# Altium PCB 2016_BeaconIR_YahourtPhone.PCBDOC (part 1 of 2)
Units mil, origin at the board's own origin, x right, y up, seen from the top; angles counter-clockwise.
Board outline 3110.16 x 3110.12 mil, 4 copper layers (1-TOP, 2-SIGNAL, 3-GND, 4-BOT), stack 68 mil thick; 241 components, 166 nets, 741 pads, 347 vias.
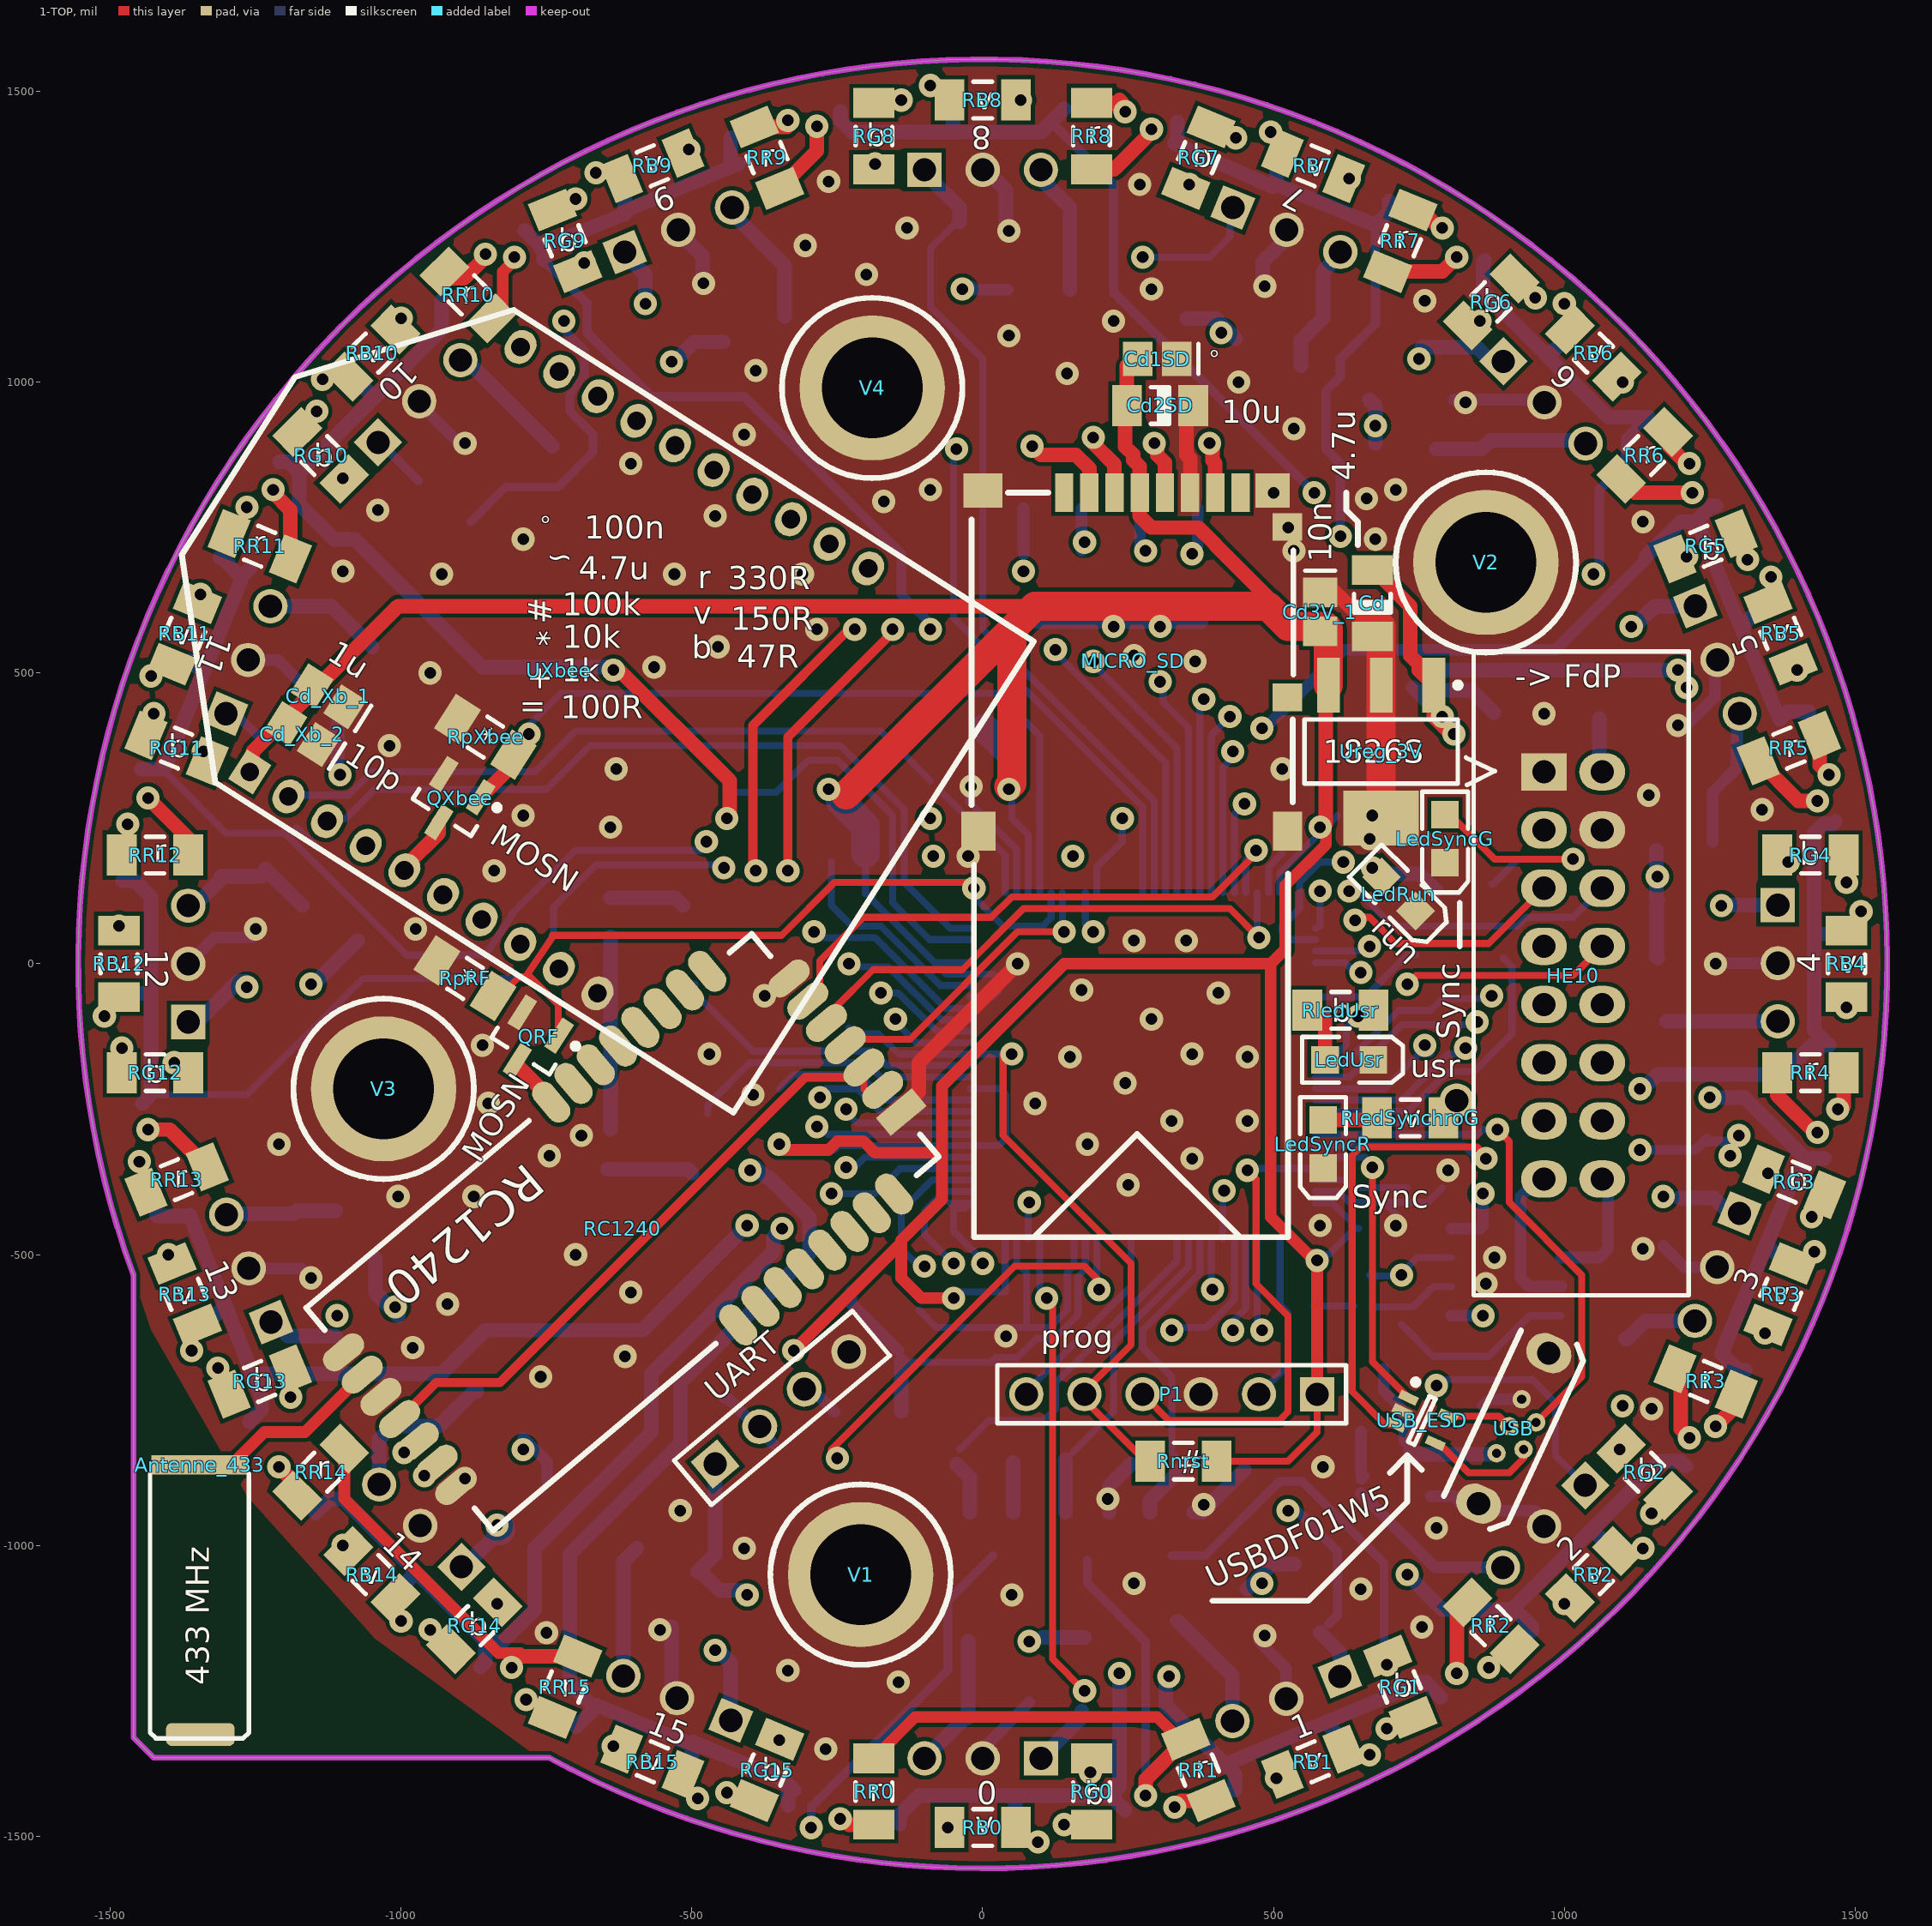
[diagram p0: 1-TOP view]
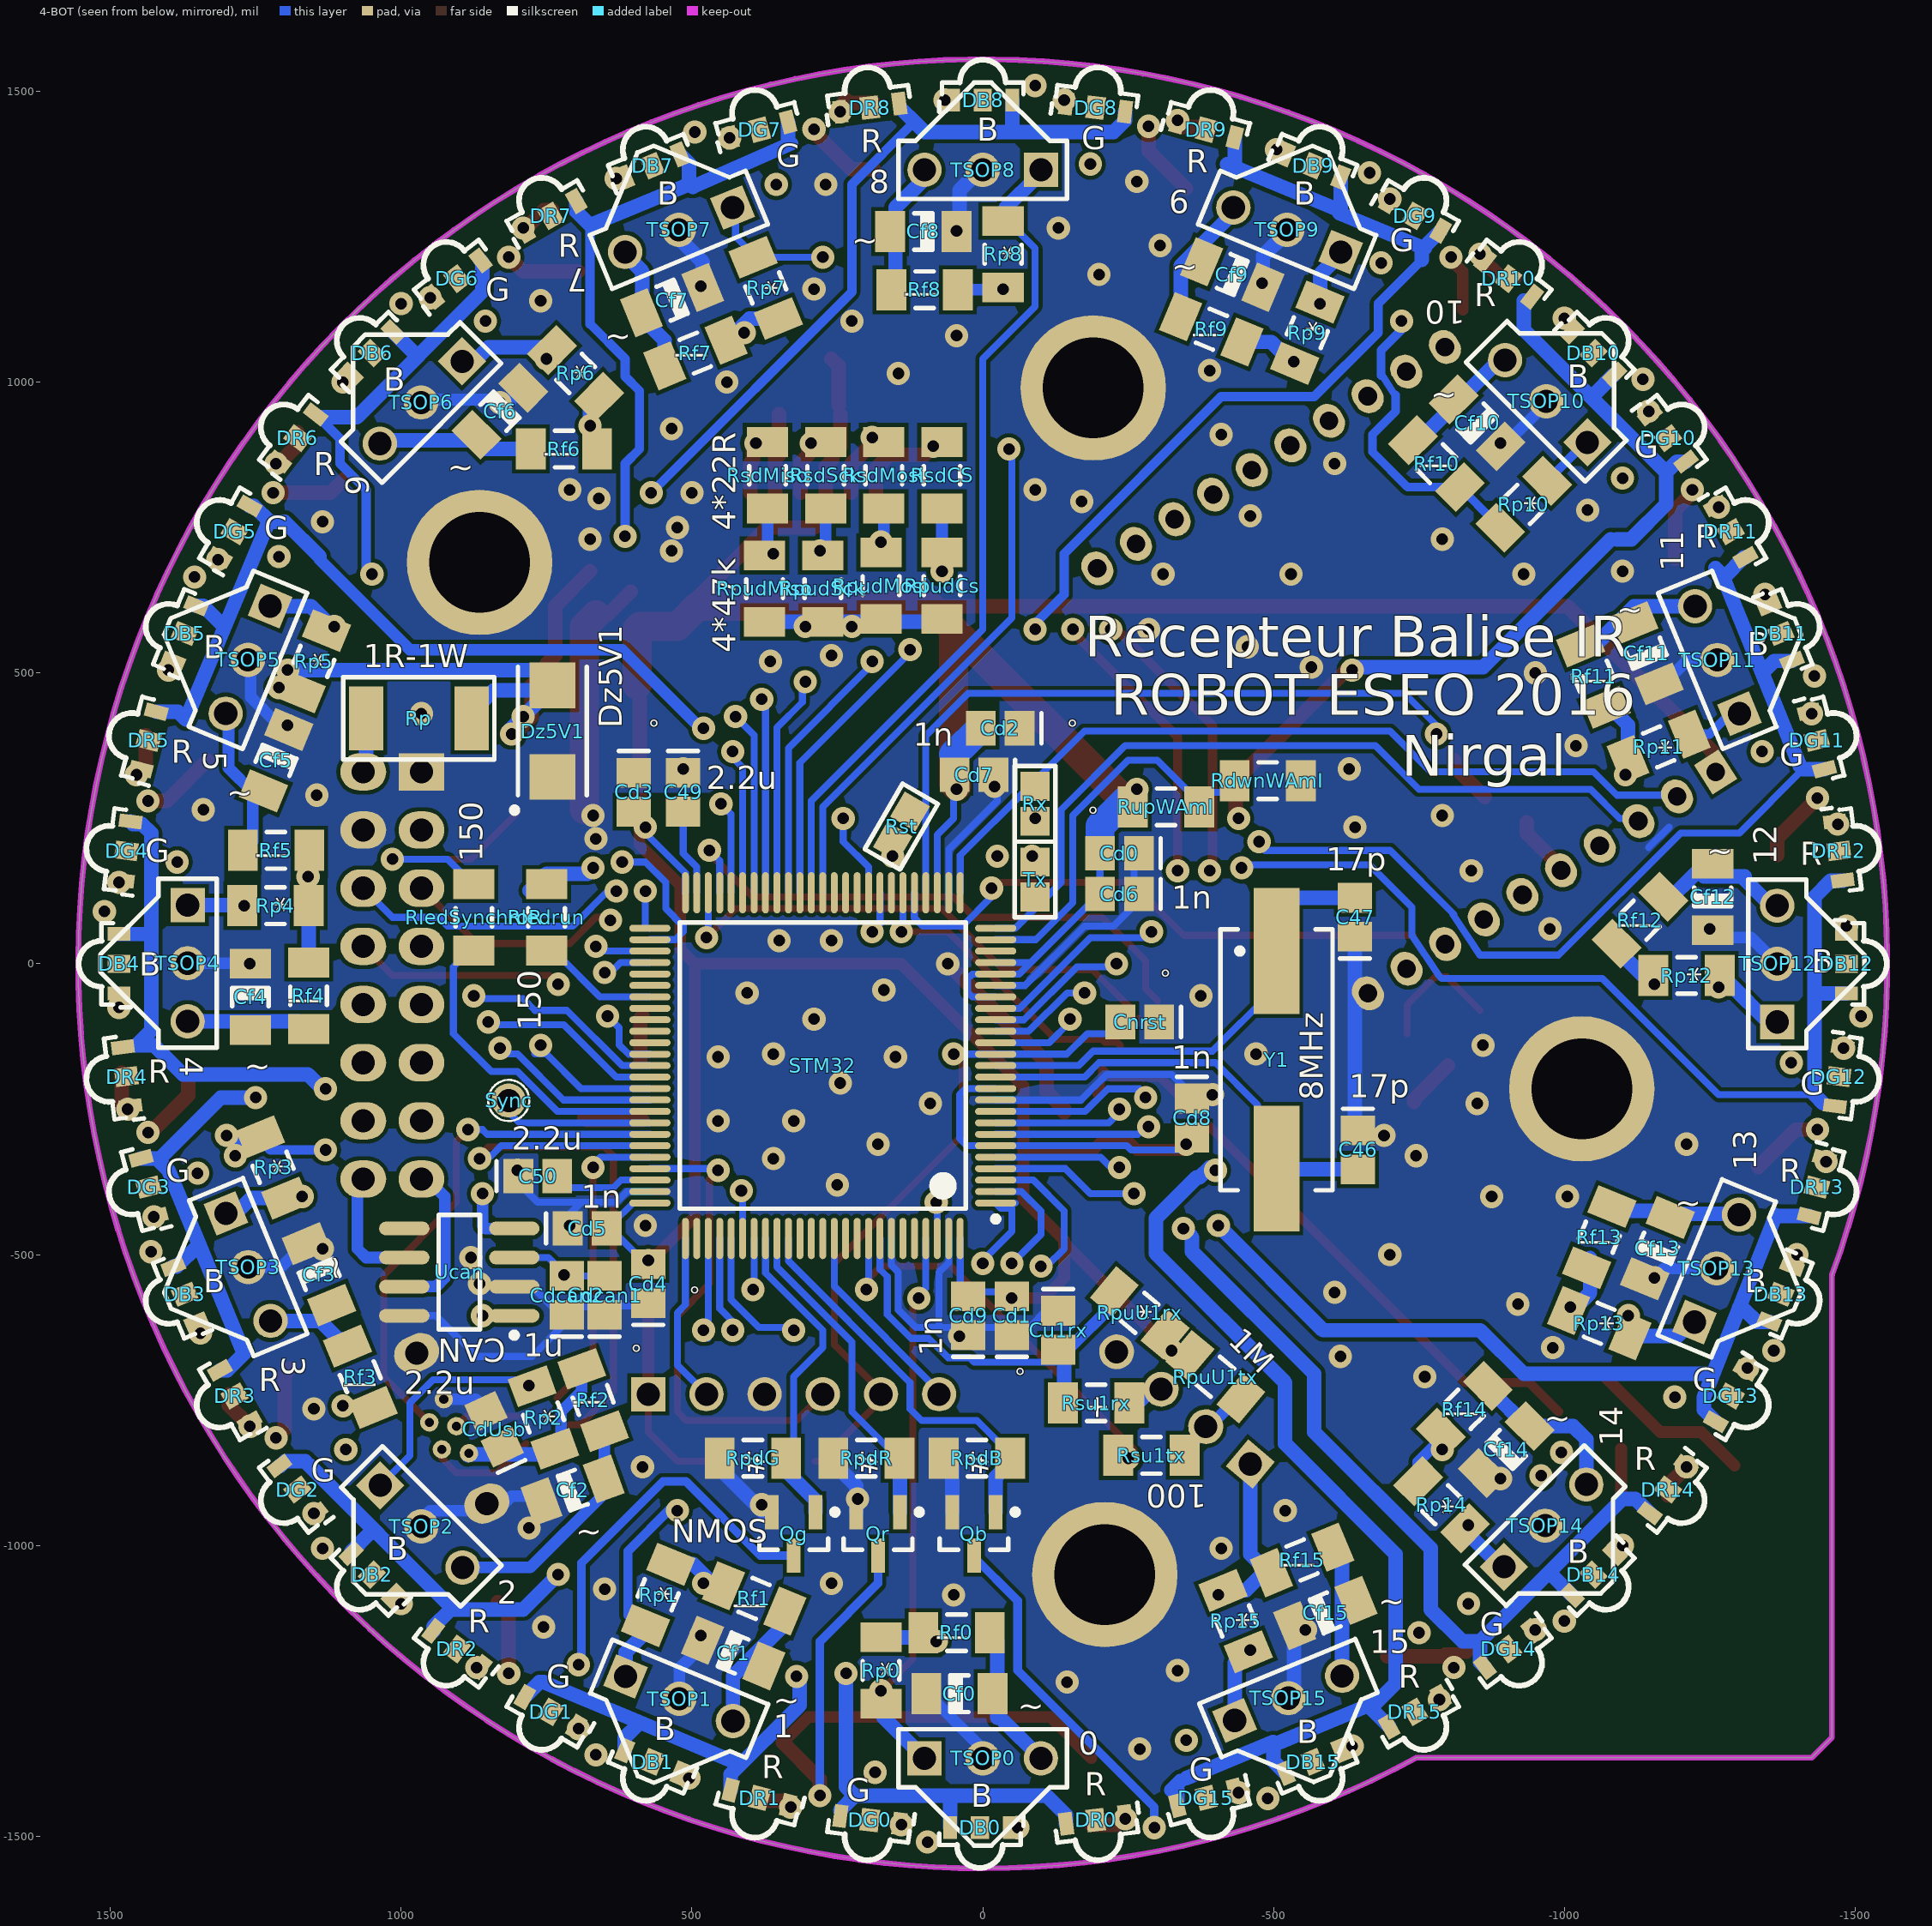
[diagram p1: 4-BOT view, seen from below]
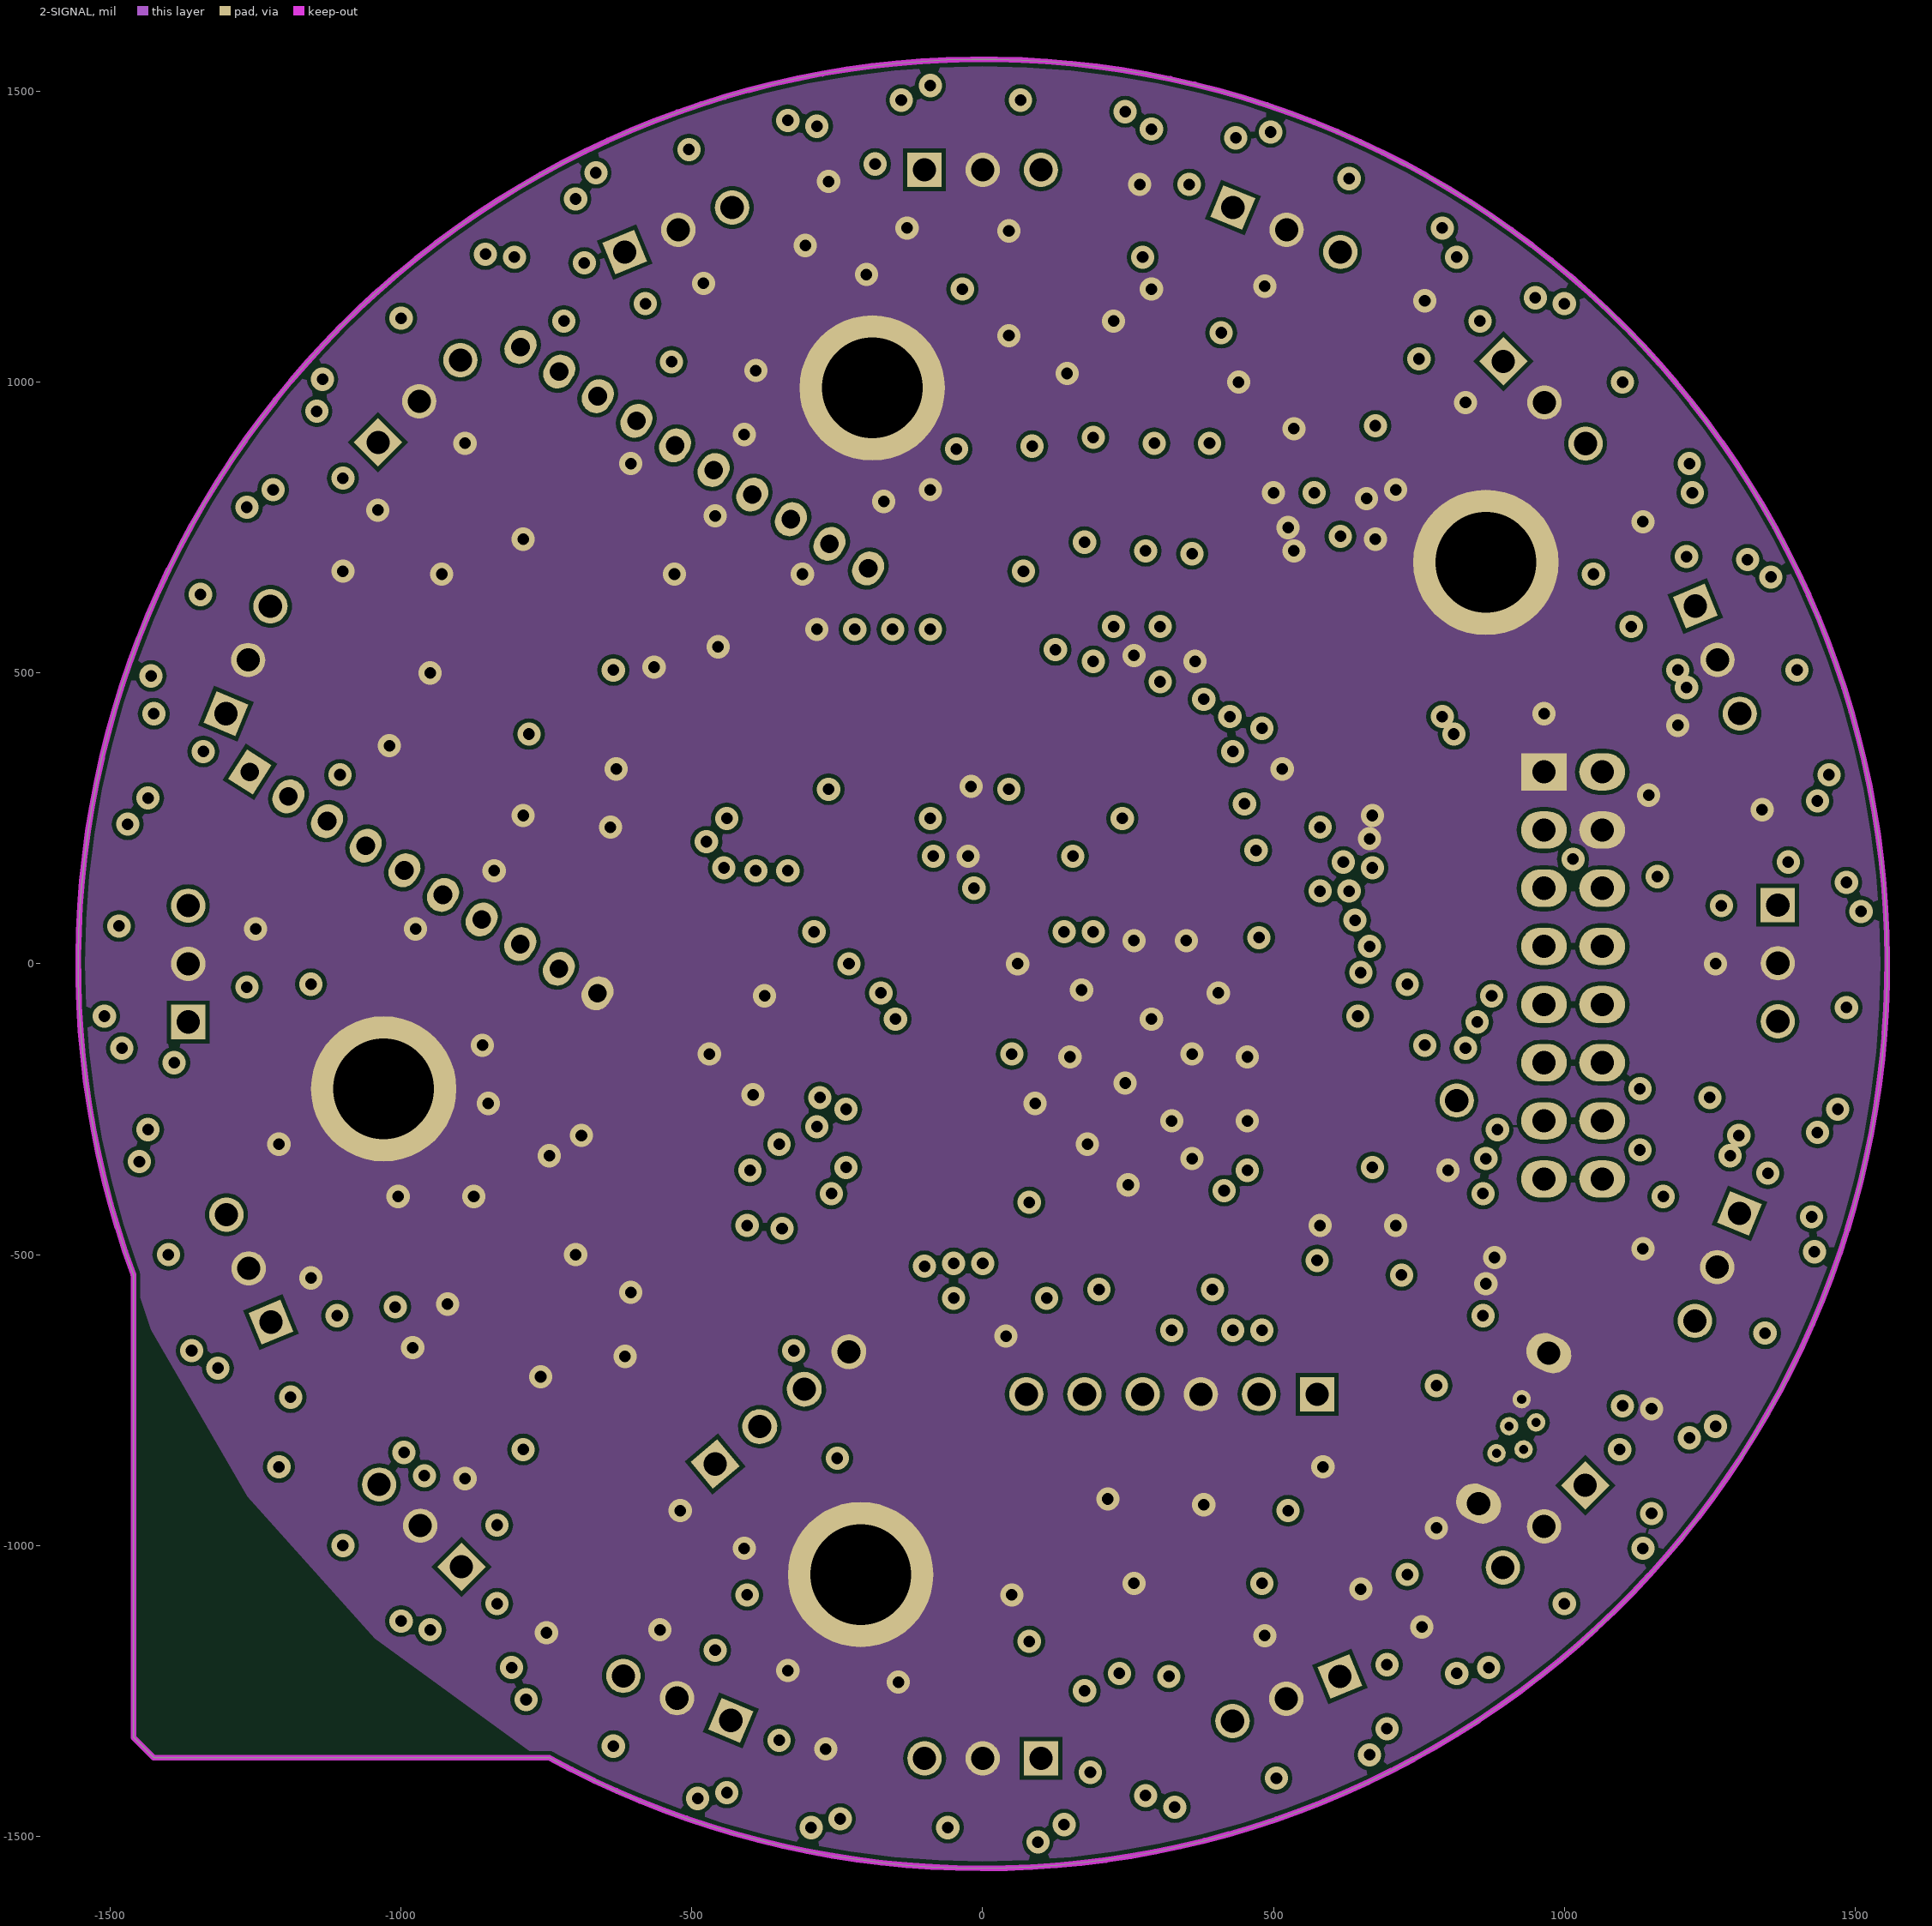
[diagram p2: 2-SIGNAL]
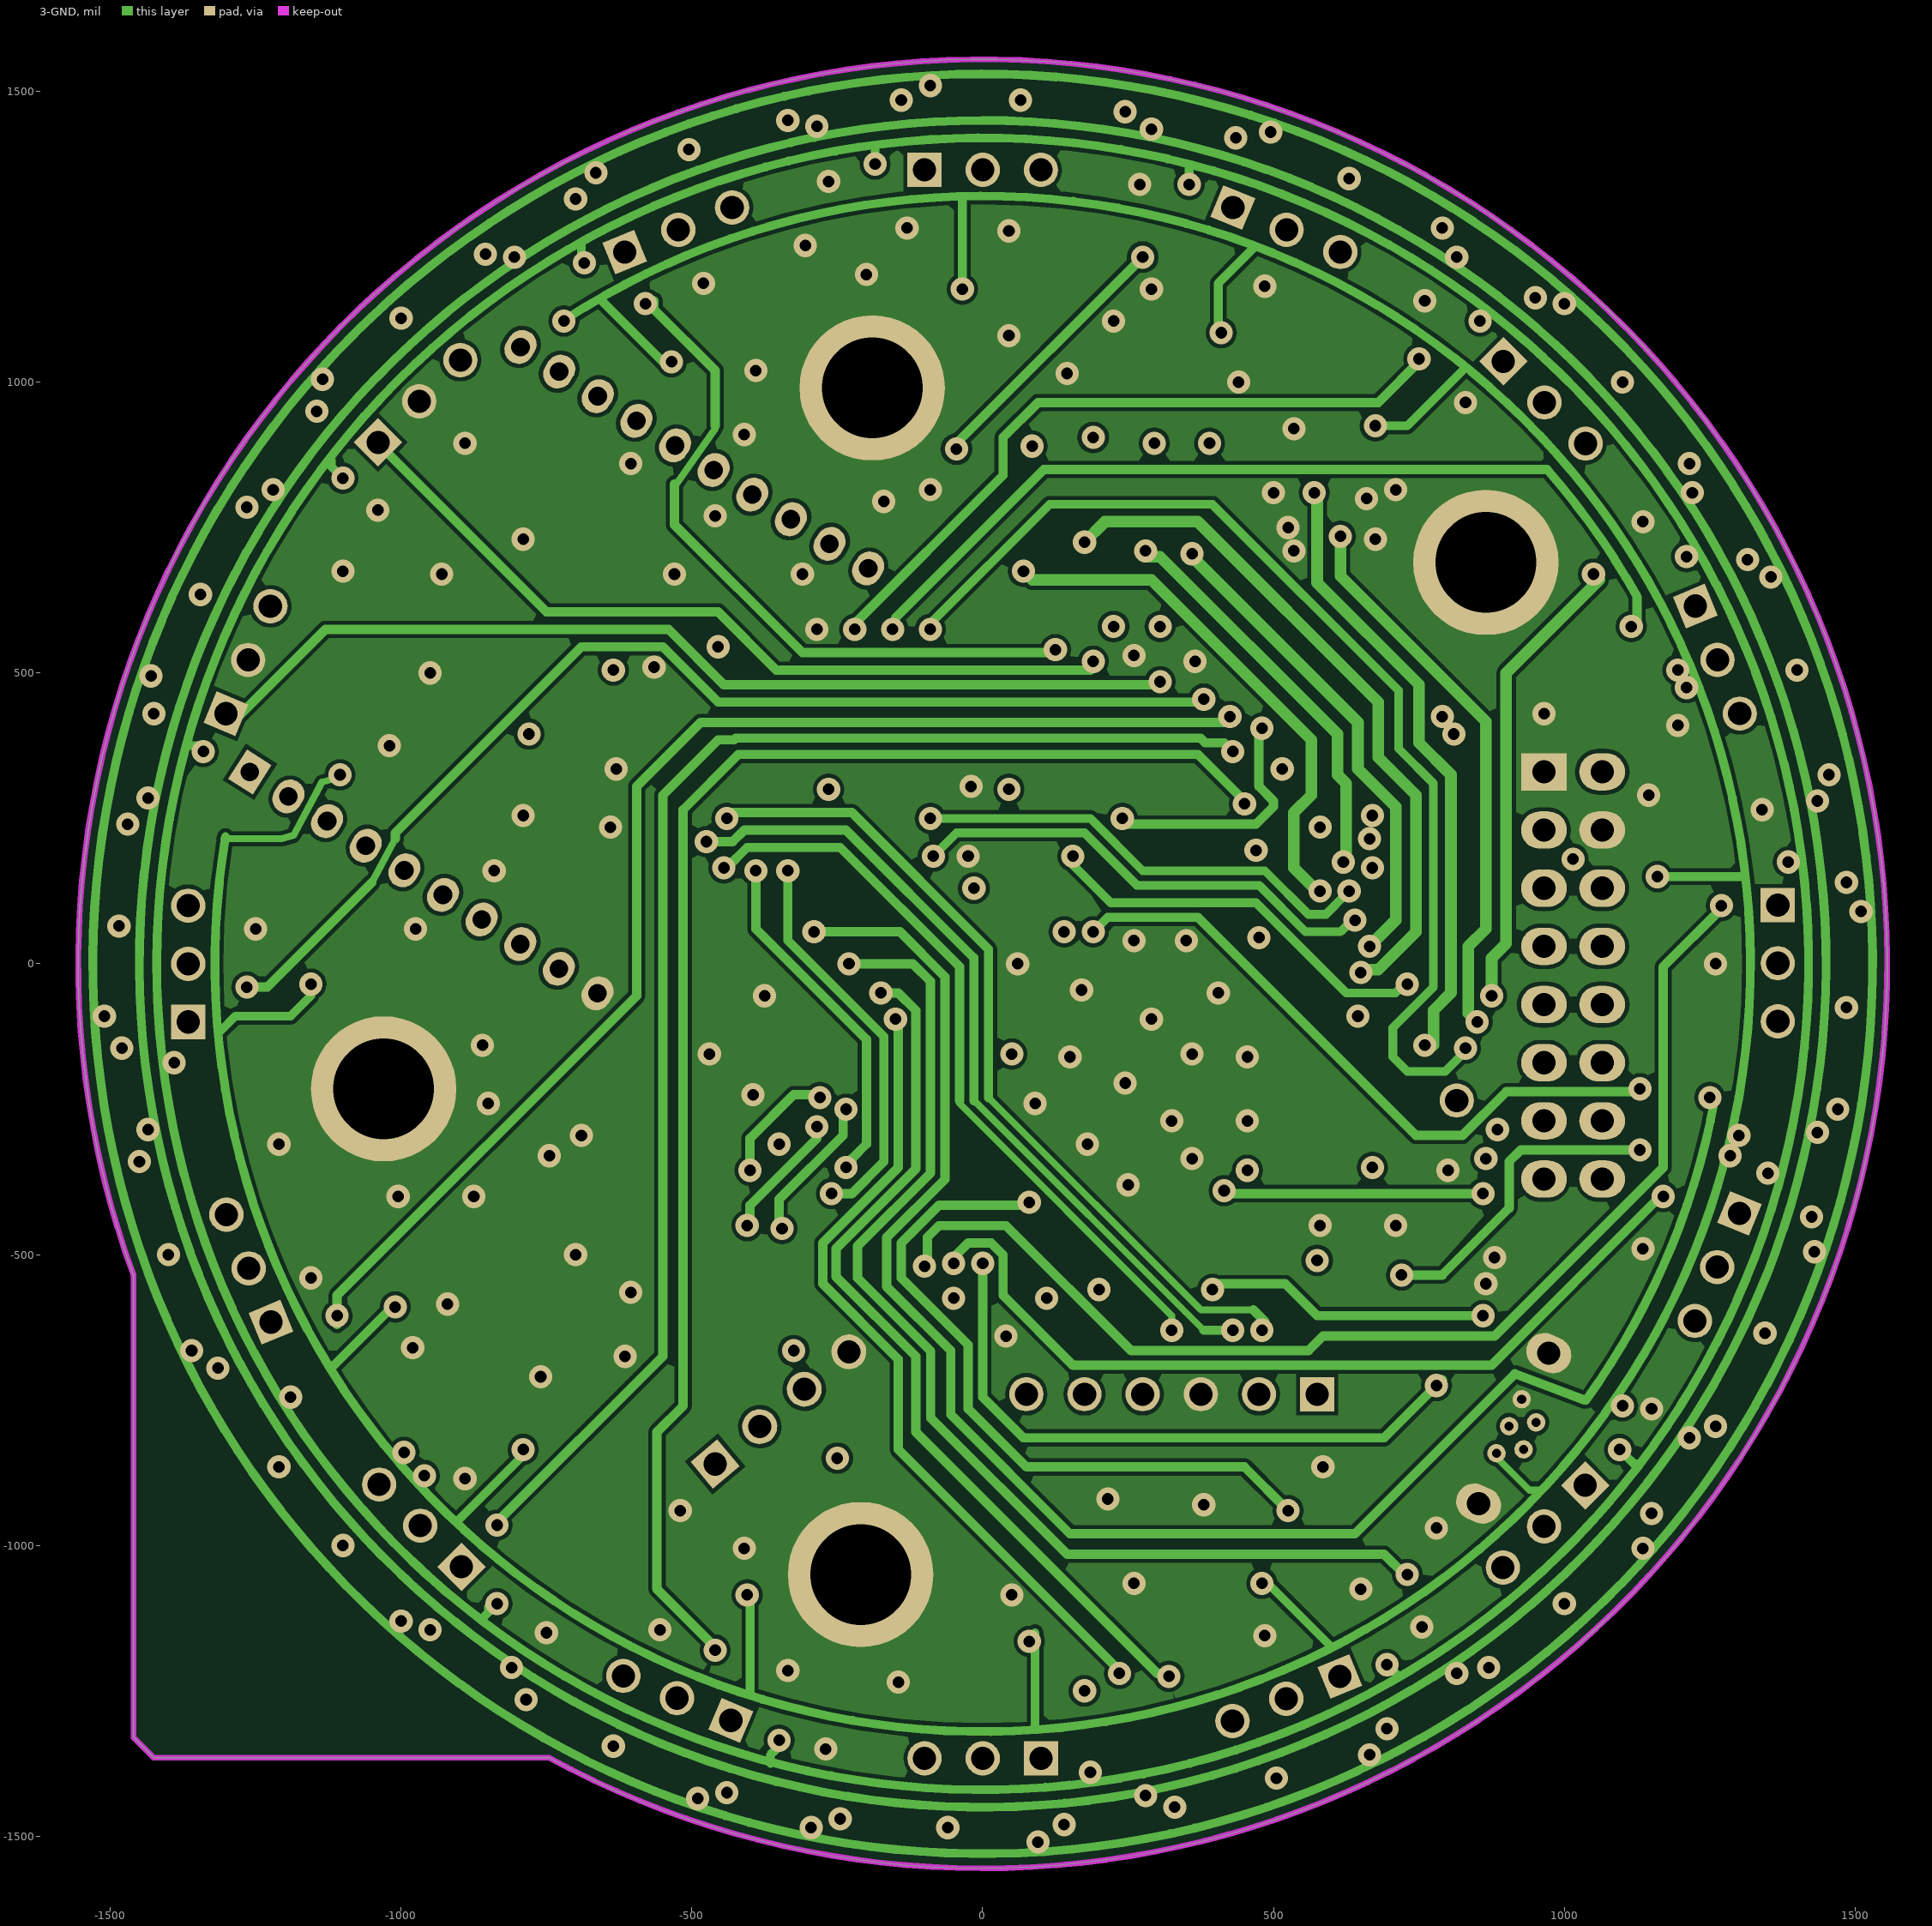
[diagram p3: 3-GND]

## Layer stack, top to bottom
Top Solder: solder mask 0.45, Solder Resist, Dk 3.5
1-TOP: signal copper 1.4
Dielectric1: core 20.8, FR-4, Dk 4.8
2-SIGNAL: signal copper 1.4
Dielectric2: prepreg 20.8, FR-4, Dk 4.8
3-GND: signal copper 1.4
Dielectric3: core 20.8, FR-4, Dk 4.8
4-BOT: signal copper 1.4
Bottom Solder: solder mask 0.45, Solder Resist, Dk 3.5

## Board outline
-1460.17,-535.06 cw(c0,0) -745.02,-1365.04 -745,-1365 -1425,-1365 -1460,-1330

## Design rules (kind name [scope] priority, off if disabled: settings)
Clearance Clearance_4 [OnLayer('Bottom Layer') And (IsThruPin Or IsSMTPin) vs OnLayer('Bottom Layer') And (IsVia)] p1 off: gap=8
Clearance Clearance_3 [OnLayer('Bottom Layer') And (IsWire) vs OnLayer('Bottom Layer') And (IsVia)] p2 off: gap=8
Clearance Clearance_2 [OnLayer('Top Layer') And (IsThruPin Or IsSMTPin Or IsVia) vs OnLayer('Top Layer') And (IsVia)] p3 off: gap=8
Clearance Clearance_1 [OnLayer('Top Layer') And (IsWire) vs OnLayer('Top Layer') And (IsVia)] p4 off: gap=8
Clearance [All] p5: gap=7
FabricationTestPointUsage TestPointUsage [All] p1: valid=0 allowmultiple=FALSE
FabricationTestpoint Testpoint [(IsPad And (OnTopLayer Or OnBottomLayer))] p1: side=3 testpointundercomponent=TRUE minsize=40 maxsize=100 preferedsize=60 minholesize=0 maxholesize=40 preferedholesize=32 testpointgrid=1 allowsidetop=TRUE allowsidebottom=TRUE usegrid=TRUE gridtolerance=0.01
PlaneConnect [All] p1: planeconnectstyle=Relief reliefexpansion=25 reliefentries=4 reliefconductorwidth=12 reliefairgap=15
PolygonConnect [All] p1: connectstyle=Direct reliefconductorwidth=10 reliefentries=4 polygonreliefangle="90 Angle" airgapwidth=10
RoomDefinition 2016_BeaconIR_YahourtPhone [InComponentClass('2016_BeaconIR_YahourtPhone')] p1: confinementstyle=ConfineIn formatcopy=TRUE lockcomponents=FALSE outline 5358.6,6297 4775,6297 4775,5542 5358.6,5542
RoutingLayers RoutingLayers_1 [All] p1: top layer_v5=TRUE mid layer 1_v5=FALSE mid layer 2_v5=FALSE bottom layer_v5=TRUE
RoutingLayers [All] p2: top layer_v5=TRUE mid layer 1_v5=FALSE mid layer 2_v5=FALSE bottom layer_v5=TRUE
RoutingVias [All] p1: holewidth=24 width=50 viastyle="Through Hole" minholewidth=24 minwidth=50 maxholewidth=24 maxwidth=50
SilkToSolderMaskClearance SilkscreenOverComponentPads [IsPad] p1: minsilkscreentomaskgap=10 clearancetoexposedcopper=TRUE
SolderMaskExpansion [All] p1: expansion=0
Width ALIM [InNet('0') Or InNet('VDD')] p1: maxlimit=100 minlimit=10 preferedwidth=25
Width [All] p2: maxlimit=150 minlimit=12 preferedwidth=16
24 further rules are at their usual default settings.
